# Altium PCB UmTRXv21.PcbDoc (part 3 of 19)
Units mm, origin at the board's own origin, x right, y up, seen from the top; angles counter-clockwise.
Board outline 159.5 x 99.5 mm, 6 copper layers (Top Layer, GND, MidLayer1, Mid-Layer 2, InternalPlane2, Bottom Layer), stack 1.526 mm thick; 716 components, 578 nets, 2850 pads, 1402 vias.
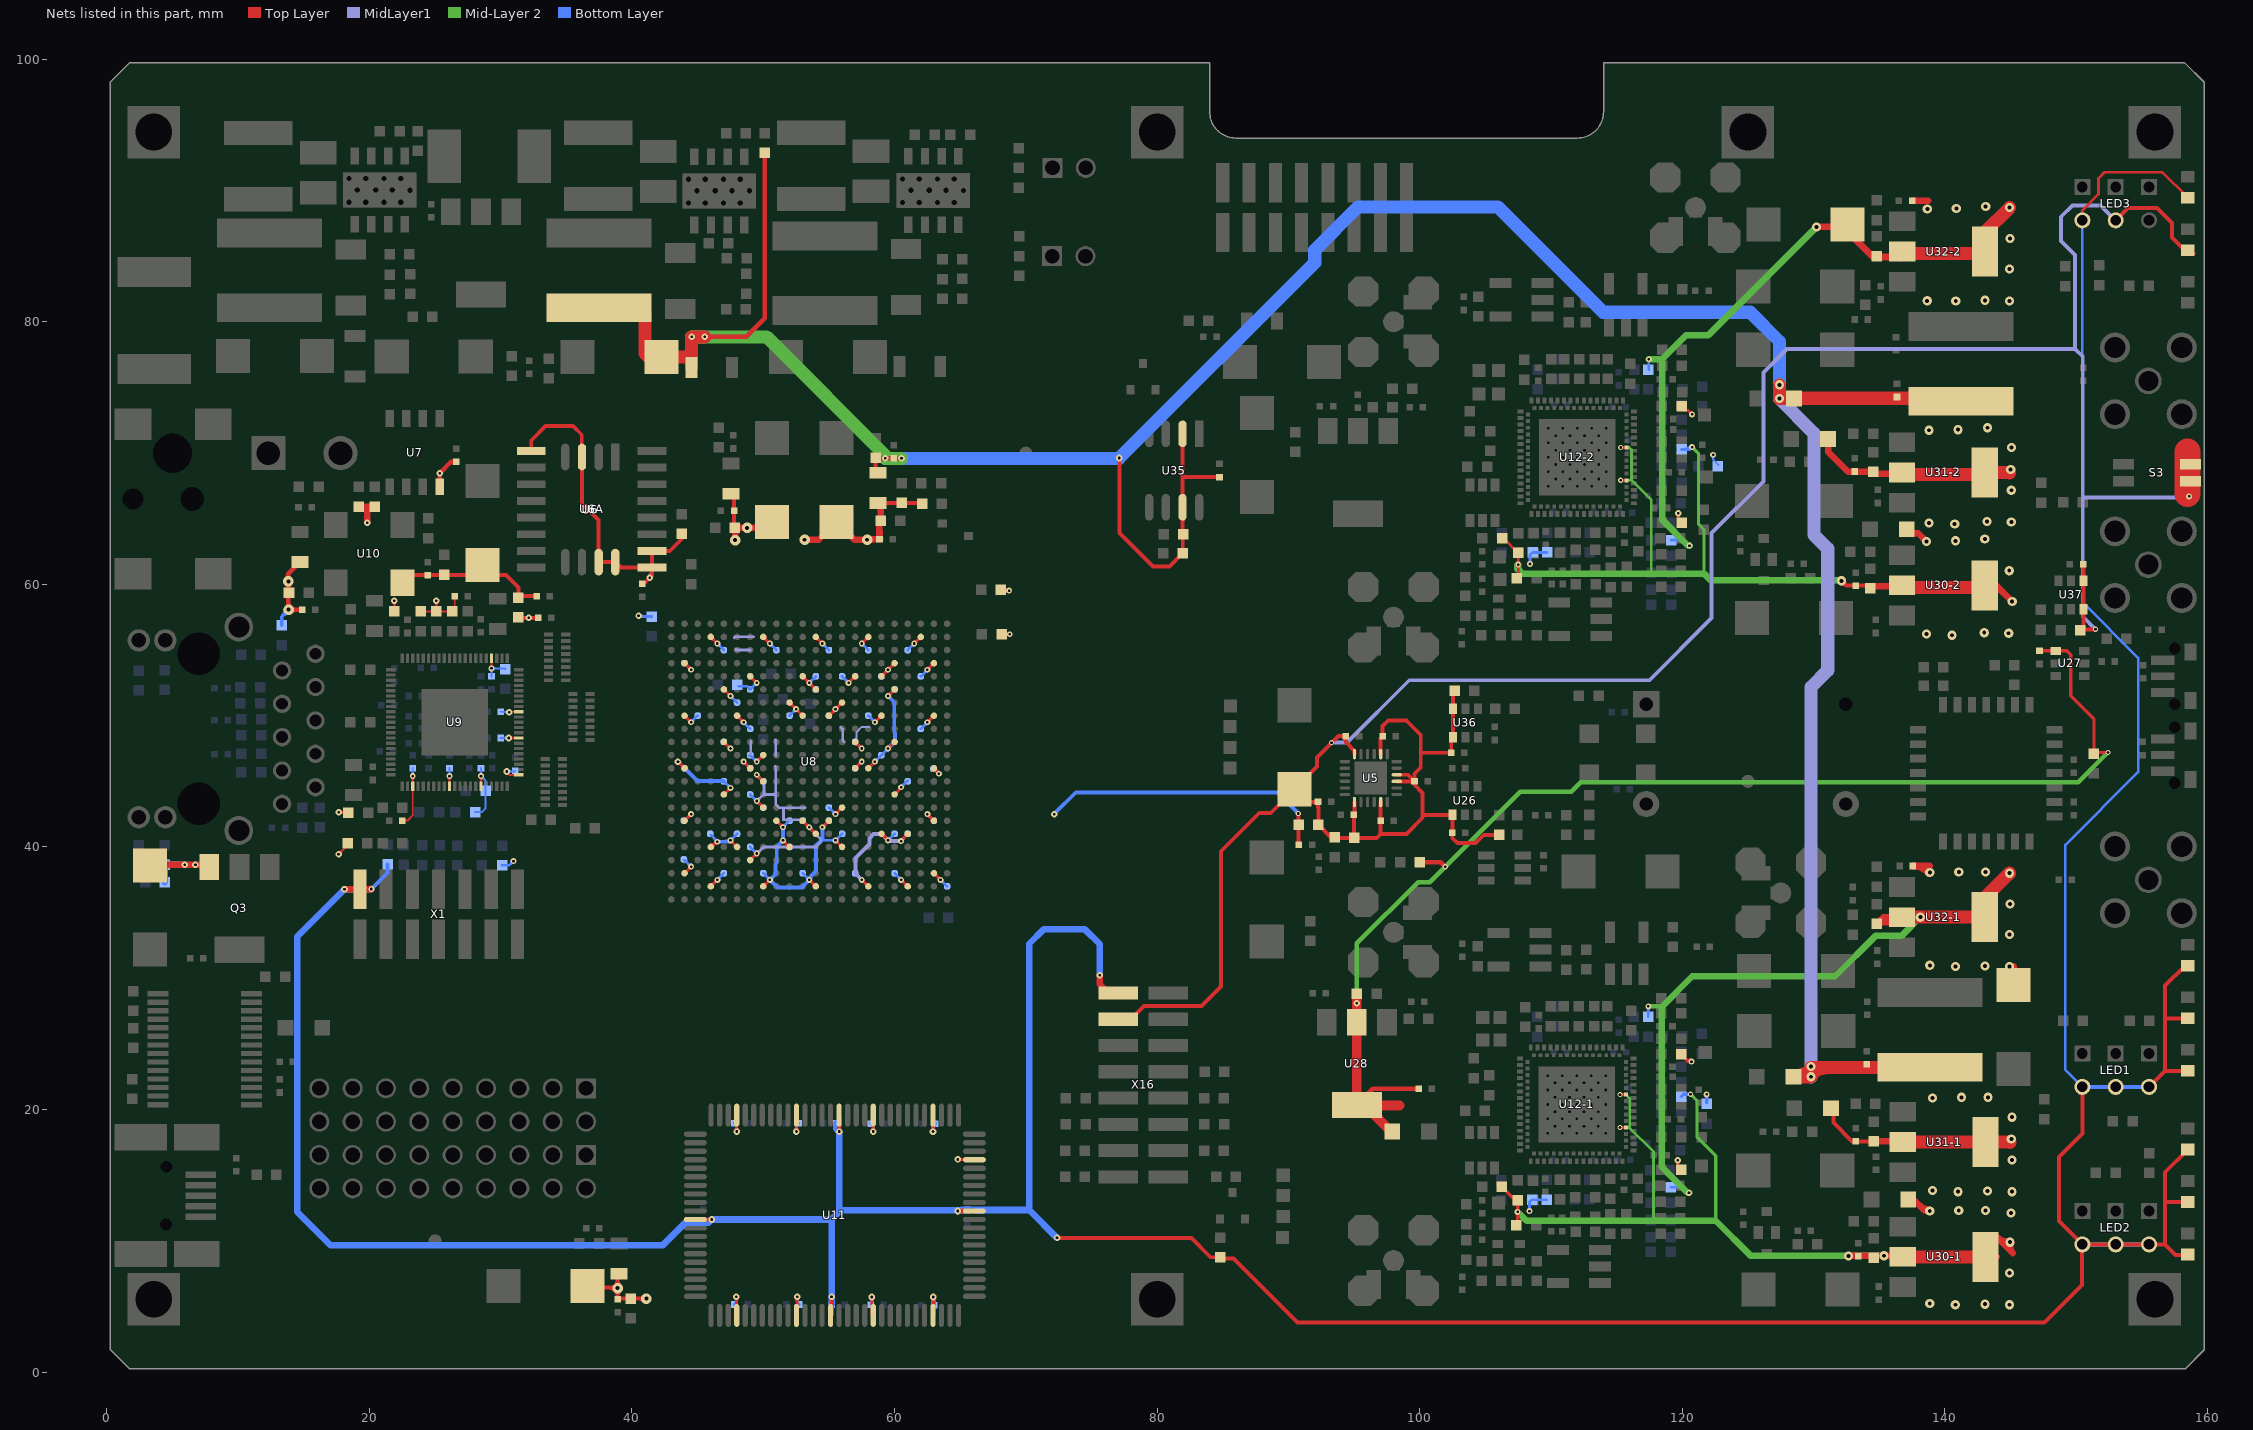
[diagram p7: the nets of this part, all layers, seen from the top]

## Via types
v1: diameter 0.45, hole 0.2, Top Layer to Bottom Layer, tented both sides, 440 vias
v2: diameter 0.5, hole 0.2, Top Layer to Bottom Layer, tented both sides, 423 vias
v3: diameter 0.7, hole 0.3, Top Layer to Bottom Layer, tented both sides, 257 vias
v4: diameter 0.4, hole 0.2, Top Layer to Bottom Layer, tented both sides, 197 vias
v5: diameter 0.8, hole 0.3, Top Layer to Bottom Layer, tented both sides, 63 vias
v6: diameter 0.6, hole 0.25, Top Layer to Bottom Layer, tented both sides, 16 vias
v7: diameter 0.6, hole 0.3, Top Layer to Bottom Layer, tented both sides, 4 vias
v8: diameter 1, hole 0.5, Top Layer to Bottom Layer, tented both sides, 2 vias

## Nets (pads, with @x,y where several pads share a name; then routed paths per layer and width w, separated by ;. In a path a pad name is that pad's centre, name@x,y a point inside that pad or via, vN(x,y) a via of type N, cw(c..) or ccw(c..) an arc to the next point about the centre after c; other vN are vias at no path point) (continued)
+1,8VALMS-1: C72-1.1 C169-1.1 L14-1.1 L15-1.1 R101-1.2 U32-1.2 | length 62.3
  Top Layer w0.5: R101-1.2@134.8,34.15 R101-1.2@134.927,34.277 ; R101-1.2@134.8,34.277 R101-1.2@134.927,34.277 ; U32-1.2@136.74,34.656 U32-1.2@136.74,34.65 ; v3(138.125,34.65) U32-1.2@136.74,34.65 ; v3@138.775,37.981 ccw(c137.55,36.947) C72-1.1@137.55,38.55 138.825,38.55 ; C169-1.1@145.225,29.5 v3@145.225,30.898 ; R101-1.2@134.927,34.277 136.74,34.277 U32-1.2@136.74,34.65 ; R101-1.2@134.927,34.277 135.3,34.65 U32-1.2@136.74,34.65
  Top Layer w1: U32-1.2@136.74,34.656 U32-1.2@143.04,34.656 143.04,36.126 v3(144.915,38.002)
  Mid-Layer 2 w0.35: v1(117.411,27.858) 118.423,27.858 118.444,27.838
  Mid-Layer 2 w0.5: v1(120.511,13.658) 120.398,13.658 118.444,15.612 118.444,27.838 120.756,30.15 131.65,30.15 134.75,33.25 136.725,33.25 v3(138.125,34.65)
  Bottom Layer w0.2: v1@117.323,27.77 cw(c117.109,27.556) 117.411,27.556 cw(c117.713,27.556) v1@117.499,27.77 ; L15-1.1@117.411,27.058 v1(117.411,27.858) ; L14-1.1@119.107,14.088 120.081,14.088 v1(120.511,13.658) ; v1@120.386,13.658 ccw(c120.084,13.658) 120.298,13.872 ccw(c120.511,14.085) v1@120.511,13.783
  other v3: 140.801,30.898 144.915,30.898 143.053,30.942 138.852,30.985 144.915,33.324 144.959,35.663 138.852,38.045 141.061,38.088 143.096,38.088
+1,8VALMS-2: C72-2.1 C169-2.1 L14-2.1 L15-2.1 R101-2.2 U32-2.2 | length 55.4
  Top Layer w0.5: v3(130.225,87.225) 132.225,87.225 134.513,84.937 U32-2.2@136.492,84.937 ; C169-2.1@131.675,87.375 C169-2.1@132.225,87.925 ; U32-2.2@136.55,84.85 U32-2.2@136.55,85.2 ; C72-2.1@137.5,89.225 138.725,89.225
  Top Layer w1: U32-2.2@136.55,85.2 U32-2.2@142.85,85.2 ; U32-2.2@143.05,85.35 143.05,86.82 v3(144.925,88.696)
  Mid-Layer 2 w0.5: v1(117.45,77.15) 118.462,77.15 ; v1(120.55,62.95) 120.437,62.95 118.483,64.904 118.483,77.13 118.462,77.15 ; v3(130.225,87.225) 121.988,78.988 120.3,78.988 118.462,77.15
  Bottom Layer w0.2: v1@117.362,77.062 cw(c117.148,76.848) 117.45,76.848 cw(c117.752,76.848) v1@117.538,77.062 ; L15-2.1@117.45,76.35 v1(117.45,77.15) ; L14-2.1@119.146,63.38 120.12,63.38 v1(120.55,62.95) ; v1@120.425,62.95 ccw(c120.123,62.95) 120.337,63.163 ccw(c120.55,63.377) v1@120.55,63.075
  other v3: 140.825,81.575 138.65,81.6 144.925,81.592 143.063,81.636 144.925,84.018 144.969,86.357 138.661,88.589 140.87,88.632 143.106,88.782
+1,8VDLMS-1: C66-1.1 C71-1.1 L11-1.2 L16-1.2 L18-1.2 L19-1.2 L20-1.2 R100-1.2 U31-1.2 | length 22.8
  Top Layer w0.2: v2@119.542,16.03 cw(c119.273,15.761) L19-1.2@119.654,15.761 ; L19-1.2@119.654,15.495 v2@119.654,16.069 ; L19-1.2@119.654,15.787 cw(c119.997,15.787) v2@119.754,16.03 ; L19-1.2@119.907,15.588 L19-1.2@120.037,15.458 ; L16-1.2@119.907,24.188 119.907,24.143 120.4,23.65 ; L16-1.2@119.974,24.076 ccw(c120.7,24.801) v1@120.7,23.775 ; 120.316,23.734 ccw(c120.7,24.118) v1@120.7,23.575 ; v1@120.611,23.562 ccw(c120.4,23.353) 120.4,23.65 ; v1@120.611,23.738 cw(c120.4,23.947) 120.4,23.65 ; v1(120.7,23.65) 120.4,23.65
  Top Layer w0.3: C66-1.1@131.5,20 131.5,19 132.923,17.577 C71-1.1@133.39,17.577 ; C71-1.1@133.35,17.577 R100-1.2@134.59,17.577
  Top Layer w0.5: R100-1.2@134.59,17.577 136.74,17.577 U31-1.2@136.79,17.527
  Top Layer w1: U31-1.2@136.79,17.527 U31-1.2@143.09,17.527 144.938,17.527 v3@144.972,17.493
  Bottom Layer w0.2: v1@108.273,12.347 ccw(c108.059,12.56) 108.361,12.56 ccw(c108.663,12.56) v1@108.449,12.347 ; v1(108.361,12.258) 108.361,12.942 L20-1.2@108.557,13.138 L11-1.2@109.657,13.138
  Bottom Layer w0.25: v1@121.779,21.088 cw(c121.609,20.917) 121.85,20.917 cw(c122.091,20.917) v1@121.921,21.088 ; L18-1.2@121.85,20.519 v1(121.85,21.158)
  other v2: 119.648,16.136
  other v3: 140.995,13.744 145.109,13.744 143.247,13.787 139.046,13.83 145.109,16.169 145.059,17.753 145.116,19.417 139.046,20.89 141.255,20.934 143.29,20.934
+1,8VDLMS-2: C66-2.1 C71-2.1 L11-2.2 L16-2.2 L18-2.2 L19-2.2 L20-2.2 R100-2.2 U31-2.2 | length 22.5
  Top Layer w0.2: v2@119.581,65.322 cw(c119.312,65.053) L19-2.2@119.693,65.053 ; L19-2.2@119.693,64.787 v2@119.693,65.361 ; L19-2.2@119.693,65.079 cw(c120.036,65.079) v2@119.793,65.322 ; L19-2.2@119.946,64.88 L19-2.2@120.076,64.75 ; L16-2.2@119.946,73.48 119.946,73.354 120.05,73.25 120.45,73.25 120.65,73.05 v1@120.65,72.85 ; v1@120.625,72.95 ccw(c120.323,72.95) 120.537,73.163 ccw(c120.75,73.377) v1@120.75,73.075
  Top Layer w0.5: C66-2.1@131.1,71.075 131.1,70.1 132.624,68.576 R100-2.2@134.54,68.576 ; R100-2.2@134.34,68.426 136.49,68.426 U31-2.2@136.54,68.376
  Top Layer w1: U31-2.2@136.54,68.376 U31-2.2@142.84,68.376 ; U31-2.2@143.04,68.526 144.888,68.526 v3@144.922,68.492
  Bottom Layer w0.15: v1@122.244,69.769 cw(c121.988,69.513) 122.35,69.513 cw(c122.712,69.513) v1@122.456,69.769 ; v1(122.35,69.875) 122.35,69.5 L18-2.2@122.775,69.075
  Bottom Layer w0.2: v1@108.312,61.638 ccw(c108.098,61.852) 108.4,61.852 ccw(c108.702,61.852) v1@108.488,61.638 ; v1(108.4,61.55) 108.4,62.234 L20-2.2@108.596,62.43 L11-2.2@109.696,62.43
  other v1: 120.75,72.95
  other v2: 119.687,65.428
  other v3: 140.745,64.593 138.796,64.68 145.059,64.743 143.197,64.786 145.059,67.169 145.009,68.752 145.066,70.416 138.796,71.74 141.005,71.783 143.24,71.933
+2,5VCC: C14.2 C15.2 C17.1 C18.1 C19.1 C20.1 C21.1 C22.1 C290.1 C294.2 C295.2 L3.1 LED3.5 LED3B'.2 R11.1 R122.2 R154.2 R156.1 S3.3 S3.4 U5.7 U5.11 U5.15 U5.16 U5.20 U5.24 U26.1 U36.1 U36.6 U37.1 U37.6 X16.14 | length 225.7
  Top Layer w0.3: X16.14@77.05,26.875 77.975,26.875 79,27.9 83.375,27.9 84.85,29.375 84.85,39.675 87.775,42.6 88.65,42.6 C17.1@90.45,44.4 ; U5.7@95.025,43.425 95.025,42.487 C15.2@94.987,42.45 94.987,40.738 R11.1@95.025,40.7 ; U5.24@95.025,47.075 95.025,47.325 94.367,47.983 94.367,48.442 C21.1@94.375,48.45 93.8,48.45 92.175,46.825 92.175,46.125 C17.1@90.45,44.4 ; U5.11@97.025,43.425 97.025,42.712 C14.2@97.025,42 97.025,41 ; U5.20@97.025,47.075 97.025,48.275 C20.1@97.175,48.425 97.175,49.2 97.6,49.625 98.975,49.625 100.075,48.525 100.075,47.175 ; U5.15@98.25,45 C22.1@99.6,45 ; U5.16@98.25,45.5 99.1,45.5 C22.1@99.6,45 ; C290.1@102.45,40.95 102.45,41.1 102.5,41.15 U26.1@102.5,42.44 100.26,42.44 100.225,42.475 ; C290.1@102.475,41.1 102.475,40.7 102.875,40.3 104.25,40.3 104.875,40.925 R156.1@106.05,40.925 ; R154.2@102.651,51.9 102.524,51.773 U36.6@102.524,50.535 U36.1@102.524,48.365 102.4,48.241 C294.2@102.4,47.175 100.075,47.175 ; R122.2@150.325,56.525 R122.2@150.375,56.575 ; R122.2@150.325,56.575 R122.2@150.375,56.575 ; C295.2@150.525,61.55 150.564,61.511 U37.1@150.564,60.28 U37.6@150.564,58.11 150.564,56.764 R122.2@150.375,56.575 ; v4(151.475,56.575) R122.2@150.375,56.575 ; LED3.5@153.01,87.73 153.955,88.675 156.15,88.675 157.3,87.525 157.3,86.425 158.525,85.2 LED3B'.2@158.925,85.2 ; 158.475,66.9 v1@158.475,66.825 ; v1(158.6,66.7) v1@158.475,66.825 ; S3.4@158.69,67.865 v1@158.475,66.825 ; C17.1@90.45,44.4 91.425,43.425 92.225,43.425 92.25,43.4 92.25,43.05 92.275,43.025 L3.1@92.275,41.7 93.238,40.737 93.738,40.737 93.775,40.7 R11.1@95.025,40.7 ; R11.1@95.025,40.7 96.725,40.7 97.025,41 ; 97.025,41 99,41 100.225,42.225 100.225,42.475 ; C22.1@99.6,45 99.6,44.738 100.225,44.113 100.225,42.475 ; C22.1@99.6,45 99.6,45.575 100.075,46.05 100.075,47.175
  Top Layer w2: 158.475,66.9 158.475,70.1
  MidLayer1 w0.3: v4(93.275,47.95) 94.45,47.95 99.2,52.7 117.5,52.7 122.225,57.425 122.225,63.9 126.175,67.85 126.175,76.125 127.975,77.925 149.925,77.925 ; v4(151.475,56.575) 150.5,57.55 150.5,66.625 ; LED3.5@153.01,87.73 151.865,88.875 149.725,88.875 148.85,88 148.85,86.16 149.925,85.085 149.925,77.925 ; v1(158.6,66.7) 158.525,66.625 150.5,66.625 ; 149.925,77.925 150.5,77.35 150.5,66.625
+2,5VETH: C40.1 C41.2 C157.1 C163.1 C171.1 C228.2 C229.1 C230.1 C231.1 C232.1 C233.1 C234.1 C235.1 L4.1 L42.2 L45.1 LED5.2 LED6.2 Q3.3 R41.2 R46.2 R52.1 R53.1 R54.1 R91.1 R92.1 U9.4 U9.45 U9.52 U9.58 U9.64 U9.71 U9.76 | length 55.2
  Top Layer w0.15: v2(17.65,39.45) 18.3,40.1 LED6.2@18.35,40.1 ; v2@17.65,39.625 ccw(c17.65,40.047) 17.949,39.749 ccw(c18.247,39.45) v2@17.825,39.45 ; v2(17.675,42.65) 17.725,42.6 LED5.2@18.4,42.6 ; v2@17.799,42.526 cw(c17.977,42.348) 17.977,42.6 ; v2@17.799,42.774 ccw(c18.218,43.193) LED5.2@18.218,42.6 ; v2@21.776,58.626 cw(c21.478,58.328) 21.9,58.328 cw(c22.322,58.328) v2@22.024,58.626 ; L45.1@21.9,57.95 v2(21.9,58.75) ; C228.2@22.5,42 22.9,42 23.3,42.4 U9.45@23.3,44.625 v1(23.3,45.4) ; v1@23.194,45.294 cw(c22.938,45.038) 23.3,45.038 cw(c23.662,45.038) v1@23.406,45.294 ; R54.1@23.9,57.95 R53.1@25.1,57.95 ; v2@24.976,58.626 cw(c24.678,58.328) 25.1,58.328 cw(c25.522,58.328) v2@25.224,58.626 ; v2(25.1,58.75) R53.1@25.1,57.95 ; v1@25.994,45.294 cw(c25.738,45.038) 26.1,45.038 cw(c26.462,45.038) v1@26.206,45.294 ; U9.52@26.1,44.625 v1(26.1,45.4) ; C40.1@26.5,59.1 26.5,58.15 R52.1@26.3,57.95 R53.1@25.1,57.95 ; v1@28.394,45.294 cw(c28.138,45.038) 28.5,45.038 cw(c28.862,45.038) v1@28.606,45.294 ; U9.58@28.5,44.625 v1(28.5,45.4) ; v1@29.194,53.706 ccw(c28.938,53.962) 29.3,53.962 ccw(c29.662,53.962) v1@29.406,53.706 ; v1(29.3,53.6) U9.4@29.3,54.375 ; v2(30.45,45.75) 30.45,45.7 30.65,45.5 ; v2@30.457,45.575 cw(c30.468,45.318) 30.65,45.5 ; v2(30.6,48.3) U9.71@31.375,48.3 ; v2@30.612,45.685 ccw(c30.771,45.621) 30.65,45.5 ; v2(30.65,50.25) 30.7,50.3 U9.76@31.375,50.3 ; v2@30.724,48.176 cw(c31.022,47.878) 31.022,48.3 cw(c31.022,48.722) v2@30.724,48.424 ; U9.64@31.375,45.5 30.65,45.5
  Top Layer w0.35: v5@13.666,60.066 cw(c13.282,59.682) 13.825,59.682 cw(c14.368,59.682) v5@13.984,60.066 ; v5@13.666,60.384 ccw(c13.282,60.768) 13.825,60.768 ccw(c14.368,60.768) v5@13.984,60.384 ; v5@13.691,58.234 ccw(c13.367,58.558) 13.825,58.558 ; 13.825,58.679 ccw(c14.454,58.679) 14.009,58.234 ccw(c14.393,58.618) 14.393,58.075 ccw(c14.393,57.532) v5@14.009,57.916 ; L42.2@14.7,61.7 13.825,60.825 v5(13.825,60.225) 13.825,58.1 v5(13.85,58.075) C157.1@14.875,58.075
  Top Layer w0.5: C171.1@2.9,37.6 3.95,38.65 v2(6.75,38.65) Q3.3@7.8,38.65
  Bottom Layer w0.15: v1@23.194,45.506 ccw(c22.938,45.762) 23.3,45.762 ccw(c23.662,45.762) v1@23.406,45.506 ; v1(23.3,45.4) C229.1@23.3,46 ; v1@25.994,45.506 ccw(c25.738,45.762) 26.1,45.762 ccw(c26.462,45.762) v1@26.206,45.506 ; v1(26.1,45.4) C232.1@26.1,46 ; R91.1@28.05,42.65 28.55,42.65 28.85,42.95 R92.1@28.85,44.287 28.85,45.05 v1(28.5,45.4) C233.1@28.5,46 ; v1@28.394,45.506 ccw(c28.138,45.762) 28.5,45.762 ccw(c28.862,45.762) v1@28.606,45.506 ; v1@28.5,45.25 cw(c28.5,44.888) 28.756,45.144 cw(c29.012,45.4) v1@28.65,45.4 ; v1@29.194,53.494 cw(c28.938,53.238) 29.3,53.238 cw(c29.662,53.238) 29.406,53.494 cw(c29.662,53.238) 29.662,53.6 cw(c29.662,53.962) v1@29.406,53.706 ; C230.1@29.3,53 v1(29.3,53.6) 30.3,53.6 C41.2@30.35,53.55 ; C231.1@30,48.3 v2(30.6,48.3) ; C234.1@30,50.3 30.6,50.3 v2(30.65,50.25) ; C234.1@30.107,50.3 cw(c30.107,49.707) v2@30.526,50.126 ; 30.348,50.3 ccw(c30.348,50.552) v2@30.526,50.374 ; v2(30.45,45.75) 31.05,45.75 C235.1@31.1,45.8 ; v2@30.476,48.176 ccw(c30.178,47.878) 30.178,48.3 ccw(c30.178,48.722) v2@30.476,48.424 ; v2@30.574,45.626 cw(c30.872,45.328) 30.872,45.75 cw(c30.872,46.172) v2@30.574,45.874
  Bottom Layer w0.25: L4.1@13.325,56.875 13.325,57.55 v5(13.85,58.075) ; v5@13.575,58.075 cw(c12.911,58.075) 13.381,57.606 cw(c13.85,57.136) v5@13.85,57.8
  Bottom Layer w0.5: R46.2@4.425,37.325 R41.2@4.425,38.65 v2(5.925,38.65)
+2,5VFPGA: C24.1 C156.1 C162.1 C166.1 C172.2 C175.2 C176.2 C177.2 C178.2 C179.2 C180.2 C181.2 C182.2 C183.2 C184.2 C185.2 C186.2 C187.2 C188.2 C189.2 C190.2 C191.2 C192.2 C193.2 C204.2 C205.2 C206.2 C207.2 C208.2 C209.2 C210.2 C211.2 C212.2 C213.2 L3.2 L41.2 U8.B4 U8.B7 U8.B11 U8.B15 U8.B19 U8.C2 U8.C21 U8.E9 U8.E13 U8.E17 U8.E19 U8.F4 U8.F6 U8.G2 U8.G10 U8.G14 U8.G21 U8.J5 U8.J18 U8.L2 U8.L7 U8.L16 U8.L21 U8.N5 U8.N18 U8.R2 U8.R21 U8.U5 U8.U18 U8.W2 U8.W21 | length 155.2
  Top Layer w0.2: v2@43.5,46.35 cw(c43.5,45.988) 43.756,46.244 cw(c44.012,46.5) v2@43.65,46.5 ; v2(43.5,46.5) U8.L21@44,46 ; v2@43.615,46.304 cw(c43.474,45.953) U8.L21@43.851,45.987 ; v2@43.696,46.385 ccw(c44.047,46.526) U8.L21@44.013,46.149 ; 43.751,46.249 ccw(c43.994,46.498) U8.L21@43.998,46.15 ; 43.751,46.249 cw(c43.502,46.006) U8.L21@43.85,46.002 ; U8.L21@43.85,46 ccw(c43.488,46) 43.744,46.256 ccw(c44,46.512) U8.L21@44,46.15 ; U8.L21@43.85,46.006 ccw(c43.537,46.02) 43.756,46.244 ; U8.L21@43.994,46.15 cw(c43.98,46.463) 43.756,46.244 ; U8.L21@43.996,46.15 cw(c43.987,46.481) 43.756,46.244 ; U8.L21@43.996,46.15 cw(c43.988,46.483) 43.75,46.25 cw(c43.517,46.012) 43.85,46.004 ccw(c43.519,46.013) 43.756,46.244 ; U8.C21@44,38 v1(44.5,38.5) ; U8.C21@44,38.15 ccw(c44,38.512) 44.256,38.256 ccw(c44.512,38) U8.C21@44.15,38 ; U8.G21@44,42 v1(44.5,42.5) ; U8.G21@44,42.15 ccw(c44,42.512) 44.256,42.256 ccw(c44.512,42) U8.G21@44.15,42 ; U8.R21@44,49.85 cw(c44,49.488) 44.256,49.744 cw(c44.512,50) U8.R21@44.15,50 ; U8.R21@44,50 v1(44.5,49.5) ; U8.W21@44,53.85 cw(c44,53.488) 44.256,53.744 cw(c44.512,54) U8.W21@44.15,54 ; U8.W21@44,54 v1(44.5,53.5) ; v1@44.375,38.5 cw(c44.073,38.5) 44.287,38.287 cw(c44.5,38.073) v1@44.5,38.375 ; v1@44.375,42.5 cw(c44.073,42.5) 44.287,42.287 cw(c44.5,42.073) v1@44.5,42.375 ; v1@44.375,49.5 ccw(c44.073,49.5) 44.287,49.713 ccw(c44.5,49.927) v1@44.5,49.625 ; v1@44.375,53.5 ccw(c44.073,53.5) 44.287,53.713 ccw(c44.5,53.927) v1@44.5,53.625 ; U8.B19@46,37 v1(46.5,37.5) ; U8.B19@46,37.15 ccw(c46,37.512) 46.256,37.256 ccw(c46.512,37) U8.B19@46.15,37 ; U8.E19@46,40 v1@46.5,40.5 ; U8.E19@46,40.15 ccw(c46,40.512) 46.256,40.256 ccw(c46.512,40) U8.E19@46.15,40 ; U8.E19@46.039,40.145 ccw(c46.095,40.355) 46.204,40.167 ; U8.E19@46.116,40.116 cw(c46.5,39.732) v1@46.5,40.275 ; U8.E19@46.145,39.961 cw(c46.633,39.831) v1@46.38,40.269 ; v1@46.375,37.5 cw(c46.073,37.5) 46.287,37.287 cw(c46.5,37.073) v1@46.5,37.375 ; U8.J18@47,44 v1(47.5,44.5) ; U8.J18@47,44.15 ccw(c47,44.512) 47.256,44.256 ccw(c47.512,44) U8.J18@47.15,44 ; U8.N18@47,47.85 cw(c47,47.488) 47.256,47.744 cw(c47.512,48) U8.N18@47.15,48 ; U8.N18@47,48 v1(47.5,47.5) ; U8.U18@47,51.85 cw(c47,51.488) 47.256,51.744 cw(c47.512,52) U8.U18@47.15,52 ; U8.U18@47,52 v1(47.5,51.5) ; v1@47.375,44.5 cw(c47.073,44.5) 47.287,44.287 cw(c47.5,44.073) v1@47.5,44.375 ; v1@47.375,47.5 ccw(c47.073,47.5) 47.287,47.713 ccw(c47.5,47.927) v1@47.5,47.625 ; v1@47.375,51.5 ccw(c47.073,51.5) 47.287,51.713 ccw(c47.5,51.927) v1@47.5,51.625 ; v1@47.5,40.375 cw(c47.5,40.073) 47.713,40.287 cw(c47.927,40.5) v1@47.625,40.5 ; v1(47.5,40.5) U8.E17@48,40 ; U8.E17@47.85,40 ccw(c47.488,40) 47.744,40.256 ccw(c48,40.512) U8.E17@48,40.15 ; v1@48.5,46.375 cw(c48.5,46.073) 48.713,46.287 cw(c48.927,46.5) v1@48.625,46.5 ; v1(48.5,46.5) U8.L16@49,46 ; U8.L16@48.85,46 ccw(c48.488,46) 48.744,46.256 ccw(c49,46.512) U8.L16@49,46.15 ; U8.B15@50,37 v1(50.5,37.5) ; U8.B15@50,37.15 ccw(c50,37.512) 50.256,37.256 ccw(c50.512,37) U8.B15@50.15,37 ; v1@50.375,37.5 cw(c50.073,37.5) 50.287,37.287 cw(c50.5,37.073) v1@50.5,37.375 ; U8.G14@51,41.85 cw(c51,41.488) 51.256,41.744 cw(c51.512,42) U8.G14@51.15,42 ; U8.G14@51,42 v1(51.5,41.5) ; v1@51.375,41.5 ccw(c51.073,41.5) 51.287,41.713 ccw(c51.5,41.927) v1@51.5,41.625 ; v1@51.5,40.375 cw(c51.5,40.073) 51.713,40.287 cw(c51.927,40.5) v1@51.625,40.5 ; v1(51.5,40.5) U8.E13@52,40 ; U8.E13@51.85,40 ccw(c51.488,40) 51.744,40.256 ccw(c52,40.512) U8.E13@52,40.15 ; v1@53.5,37.375 cw(c53.5,37.073) 53.713,37.287 cw(c53.927,37.5) v1@53.625,37.5 ; v1(53.5,37.5) U8.B11@54,37 ; U8.B11@53.85,37 ccw(c53.488,37) 53.744,37.256 ccw(c54,37.512) U8.B11@54,37.15 ; v1(54.5,41.5) U8.G10@55,42 ; v1@54.5,41.625 ccw(c54.5,41.927) 54.713,41.713 ccw(c54.927,41.5) v1@54.625,41.5 ; U8.G10@54.85,42 cw(c54.488,42) 54.744,41.744 cw(c55,41.488) U8.G10@55,41.85 ; v1@55.5,40.375 cw(c55.5,40.073) 55.713,40.287 cw(c55.927,40.5) v1@55.625,40.5 ; v1(55.5,40.5) U8.E9@56,40 ; U8.E9@55.85,40 ccw(c55.488,40) 55.744,40.256 ccw(c56,40.512) U8.E9@56,40.15 ; v1@57.5,37.375 cw(c57.5,37.073) 57.713,37.287 cw(c57.927,37.5) v1@57.625,37.5 ; v1(57.5,37.5) U8.B7@58,37 ; U8.B7@57.85,37 ccw(c57.488,37) 57.744,37.256 ccw(c58,37.512) U8.B7@58,37.15 ; U8.L7@58,46 v1(58.5,46.5) ; U8.L7@58,46.15 ccw(c58,46.512) 58.256,46.256 ccw(c58.512,46) U8.L7@58.15,46 ; v1@58.375,46.5 cw(c58.073,46.5) 58.287,46.287 cw(c58.5,46.073) v1@58.5,46.375 ; U8.F6@59,40.85 cw(c59,40.488) 59.256,40.744 cw(c59.512,41) U8.F6@59.15,41 ; U8.F6@59,41 v1(59.5,40.5) ; v1@59.375,40.5 ccw(c59.073,40.5) 59.287,40.713 ccw(c59.5,40.927) v1@59.5,40.625 ; v1(59.5,47.5) U8.N5@60,48 ; v1@59.5,47.625 ccw(c59.5,47.927) 59.713,47.713 ccw(c59.927,47.5) v1@59.625,47.5 ; v1(59.5,51.5) U8.U5@60,52 ; v1@59.5,51.625 ccw(c59.5,51.927) 59.713,51.713 ccw(c59.927,51.5) v1@59.625,51.5 ; U8.N5@59.85,48 cw(c59.488,48) 59.744,47.744 cw(c60,47.488) U8.N5@60,47.85 ; U8.U5@59.85,52 cw(c59.488,52) 59.744,51.744 cw(c60,51.488) U8.U5@60,51.85 ; U8.J5@60,44 v1@60.5,44.5 ; U8.J5@60,44.15 ccw(c60,44.512) 60.256,44.256 ccw(c60.512,44) U8.J5@60.15,44 ; 60.251,44.251 ccw(c59.953,44.55) v1@60.375,44.55 ; v1@60.5,37.375 cw(c60.5,37.073) 60.713,37.287 cw(c60.927,37.5) v1@60.625,37.5 ; v1(60.5,37.5) U8.B4@61,37 ; v1@60.5,40.5 U8.F4@61,41 ; v1@60.625,40.45 cw(c61.047,40.45) 60.749,40.749 ; U8.B4@60.85,37 ccw(c60.488,37) 60.744,37.256 ccw(c61,37.512) U8.B4@61,37.15 ; U8.F4@60.85,41 cw(c60.488,41) 60.744,40.744 cw(c61,40.488) U8.F4@61,40.85 ; v1@62.5,42.375 cw(c62.5,42.073) 62.714,42.286 ; v1(62.5,42.5) U8.G2@63,42 ; v1(62.5,49.5) U8.R2@63,50 ; v1@62.5,49.625 ccw(c62.5,49.927) 62.713,49.713 ccw(c62.927,49.5) v1@62.625,49.5 ; v1(62.5,53.5) U8.W2@63,54 ; v1@62.5,53.625 ccw(c62.5,53.927) 62.713,53.713 ccw(c62.927,53.5) v1@62.625,53.5 ; v1@62.625,42.5 ccw(c62.926,42.5) 62.713,42.287 ; U8.G2@62.85,42 ccw(c62.488,42) 62.744,42.256 ccw(c63,42.512) U8.G2@63,42.15 ; U8.R2@62.85,50 cw(c62.488,50) 62.744,49.744 cw(c63,49.488) U8.R2@63,49.85 ; U8.W2@62.85,54 cw(c62.488,54) 62.744,53.744 cw(c63,53.488) U8.W2@63,53.85 ; U8.L2@62.9,46.05 63.373,45.577 v1(63.378,45.577) ; U8.L2@62.963,45.855 cw(c62.845,45.398) v1@63.254,45.634 ; U8.C2@63,37.85 cw(c63,37.488) 63.256,37.744 cw(c63.512,38) U8.C2@63.15,38 ; U8.C2@63,38 v1(63.5,37.5) ; U8.L2@63,45.85 cw(c63,45.609) 63.171,45.779 ; U8.L2@63.012,45.851 cw(c63.027,45.675) 63.179,45.763 ; U8.L2@63.14,45.947 ccw(c63.281,45.895) 63.206,45.765 ; U8.L2@63.15,46 ccw(c63.633,46) v1@63.291,45.659 ; U8.L2@63.15,46.007 ccw(c63.544,46.026) v1@63.347,45.684 ; 63.156,45.794 ccw(c63.378,46.017) v1@63.378,45.702 ; v1@63.253,45.577 ccw(c62.964,45.577) 63.168,45.782 ; v1@63.375,37.5 ccw(c63.073,37.5) 63.287,37.713 ccw(c63.5,37.927) v1@63.5,37.625 ; 63.169,45.781 cw(c63.374,45.9) 63.145,45.961 ccw(c63.374,45.9) 63.169,45.781
  Top Layer w0.3: L41.2@47.525,66.9 47.775,66.65 C156.1@47.775,65.6 47.775,64.35 C162.1@47.825,64.3 ; C166.1@50.225,64.3 C166.1@50.675,64.75 ; v4(90.75,42.55) 90.75,41.725 L3.2@90.775,41.7 90.775,40.2 C24.1@90.8,40.175
  Top Layer w0.5: C162.1@47.825,64.3 C162.1@47.85,64.3 ; v5(47.85,63.375) C162.1@47.85,64.3 ; C162.1@47.85,64.325 C162.1@47.85,64.3 ; C166.1@50.225,64.3 v5(48.775,64.3) C162.1@47.85,64.3
  MidLayer1 w0.3: v1(57.5,37.5) 57.025,37.975 57.025,39.15 58.102,40.227 58.075,40.253 58.075,40.647 58.403,40.975 59.025,40.975 v1(59.5,40.5) 59.55,40.45 v1(60.5,40.45) ; v1@59.553,40.553 ccw(c59.802,40.802) 59.802,40.45 ; v2@72.1,42.5 v2(72.15,42.5)